# Altium PCB Daughter Board.PcbDoc (part 1 of 3) (continued)
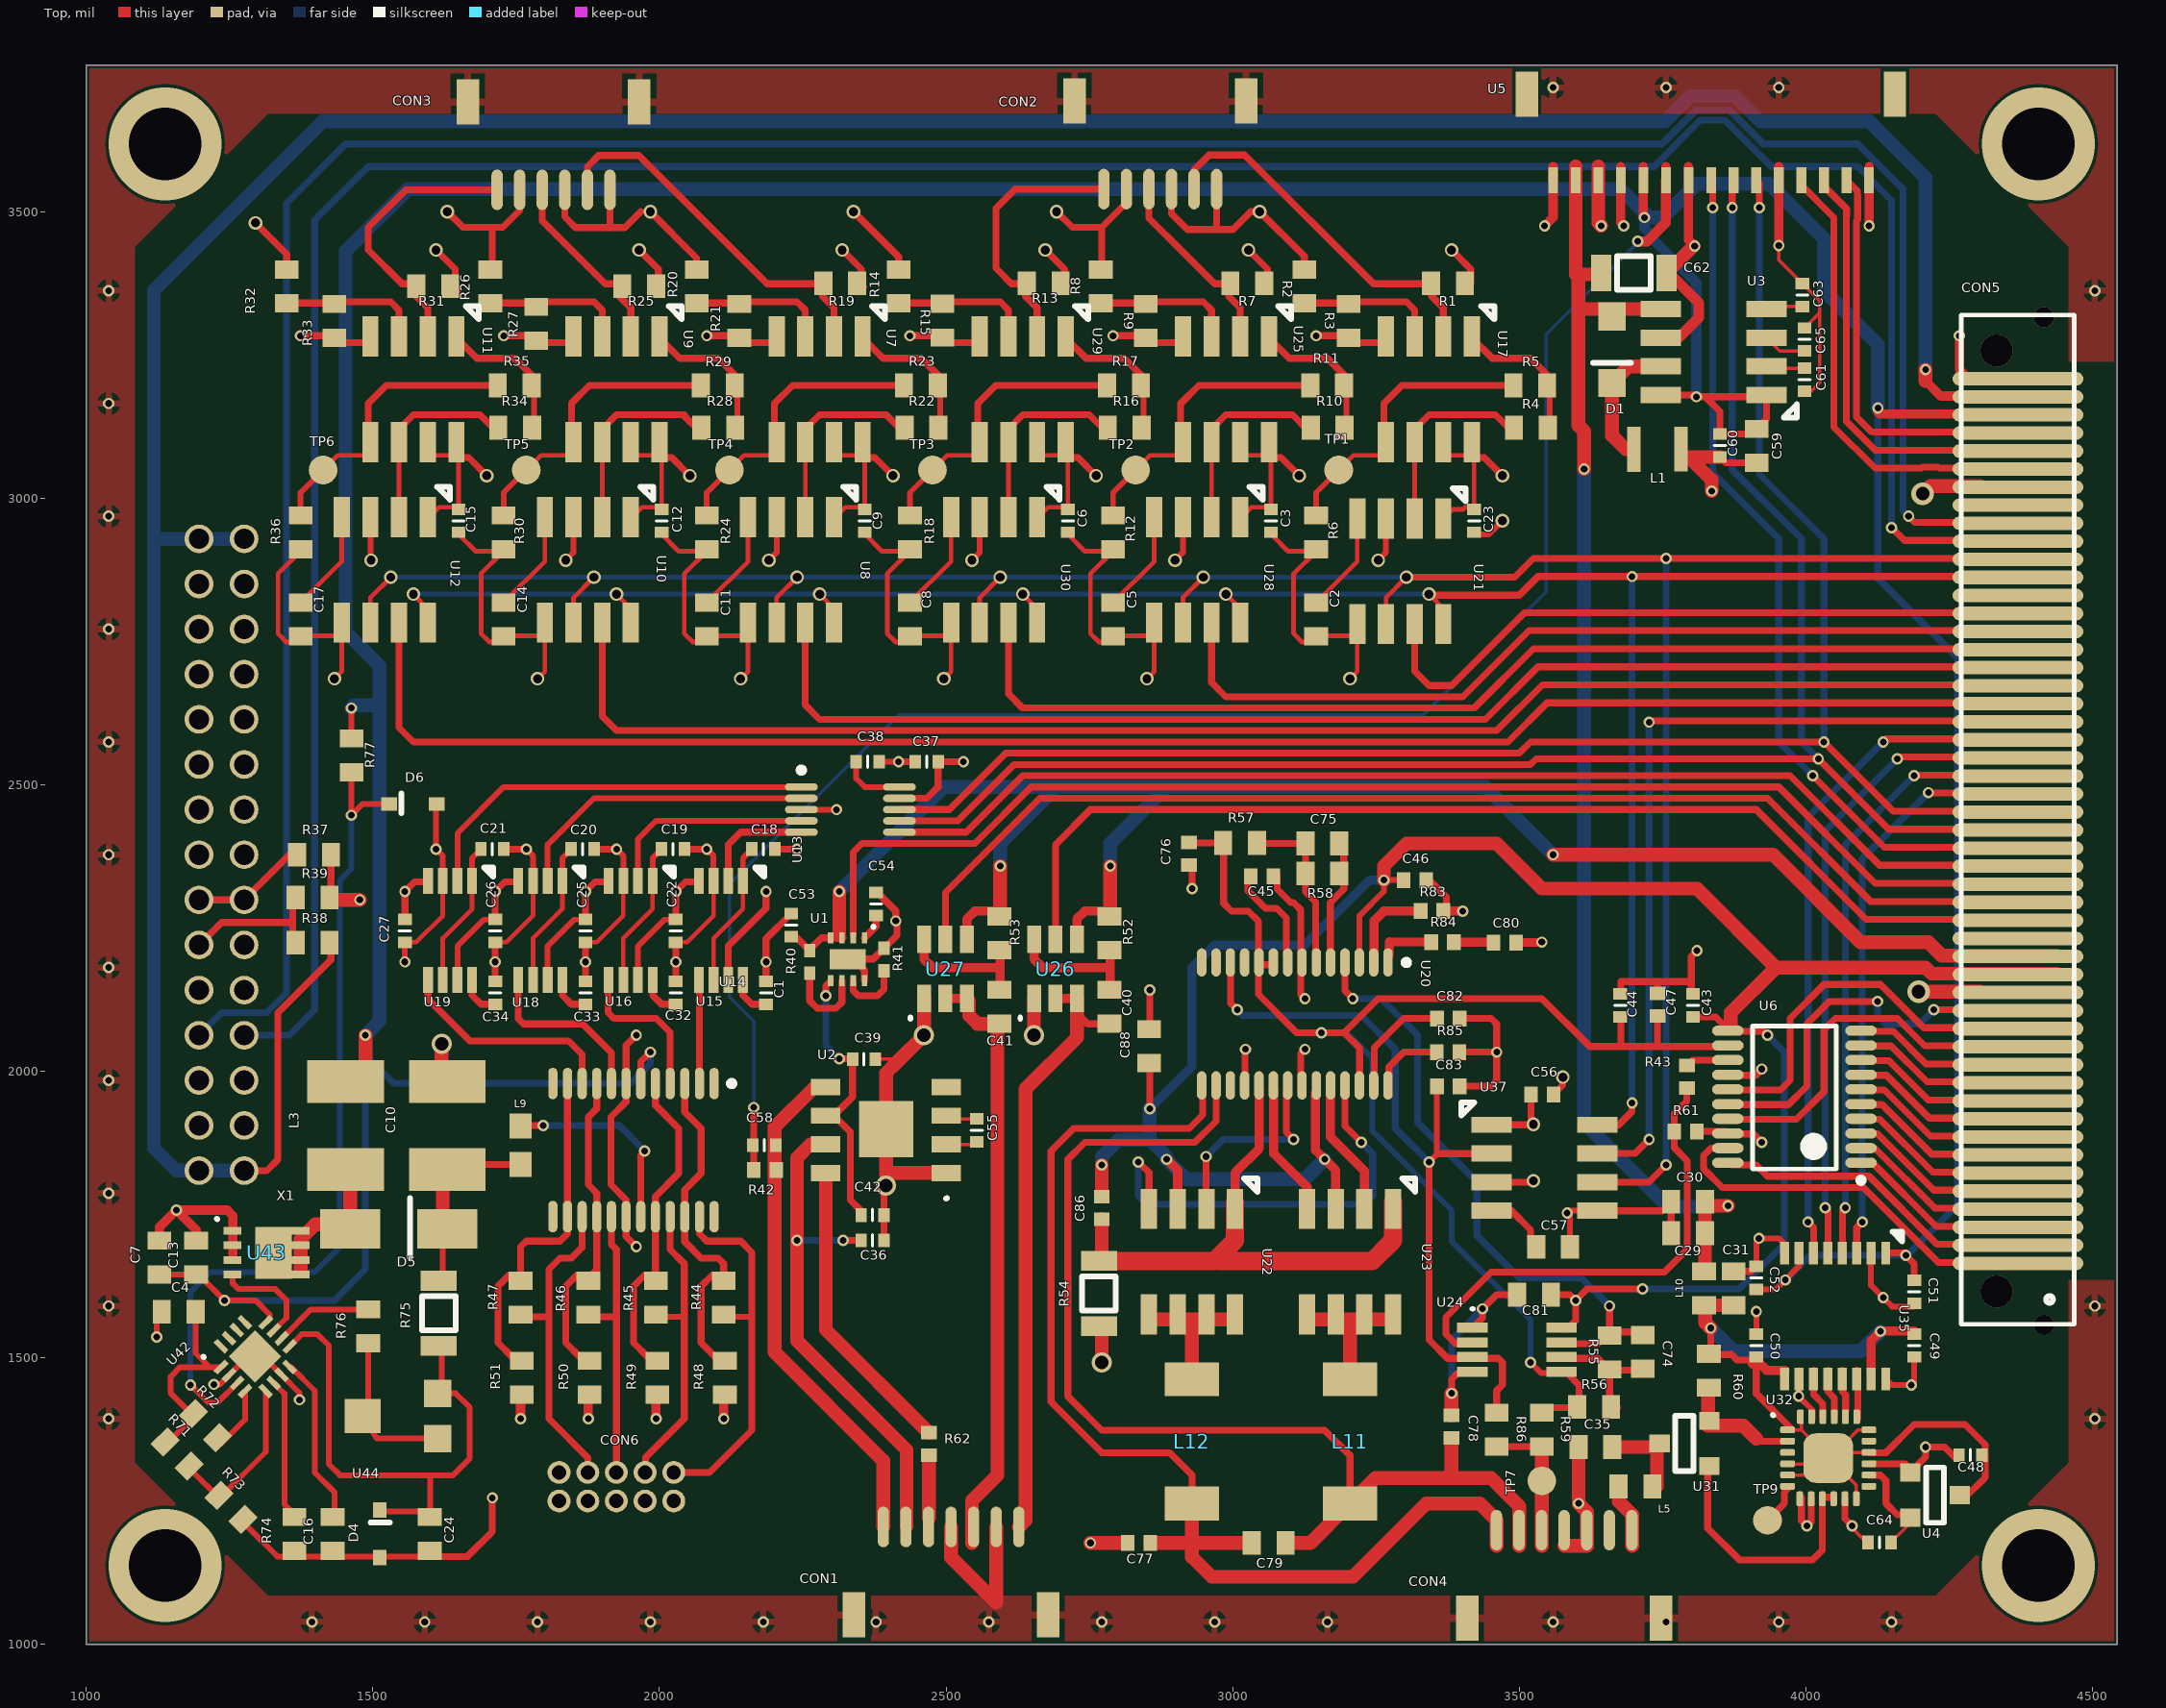
[diagram p0: Top view]
## Components (designator, comment, footprint, x,y, rotation, side; value= is the part's Value field where it differs from the comment)
C1 "1000pF" "0402 B" 2186.02,2136.81 r90 top
C2 "10uF" 0603#1 3145.67,2817.91 r270 top
C3 "0.1uF" "0402 B" 3066.93,2960.63 r270 top
C4 "1uF" 0603#1 1131.88,1580.71 r0 top
C5 "10uF" 0603#1 2791.34,2817.91 r270 top
C6 "0.1uF" "0402 B" 2712.6,2960.63 r270 top
C7 "22uF" 0603#1 1127.95,1645.67 r90 top
C8 "10uF" 0603#1 2437.01,2817.91 r270 top
C9 "0.1uF" "0402 B" 2358.27,2960.63 r270 top
C10 "10uF" C1812 1629.92,1905.51 r90 top
C11 "10uF" 0603#1 2082.68,2817.91 r270 top
C12 "0.1uF" "0402 B" 2003.94,2960.63 r270 top
C13 "22uF" 0603#1 1191.93,1645.67 r90 top
C14 "10uF" 0603#1 1728.35,2817.91 r270 top
C15 "0.1uF" "0402 B" 1649.61,2960.63 r270 top
C16 "1uF" 0603#1 1430,1163.5 r90 top
C17 "10uF" 0603#1 1374.02,2817.91 r270 top
C18 "0.1uF" "0402 B" 2181.1,2387.8 r180 top
C19 "0.1uF" "0402 B" 2023.62,2387.8 r180 top
C20 "0.1uF" "0402 B" 1866.14,2387.8 r180 top
C21 "0.1uF" "0402 B" 1708.66,2387.8 r180 top
C22 "0.1uF" "0402 B" 2028.54,2245.08 r90 top
C23 "0.1uF" "0402 B" 3421.26,2960.63 r270 top
C24 "C-EUC0603" 0603#1 1599.4,1222.55 r270 top
C25 "0.1uF" "0402 B" 1871.06,2245.08 r90 top
C26 "0.1uF" "0402 B" 1713.58,2245.08 r90 top
C27 "0.1uF" "0402 B" 1556.1,2245.08 r90 top
C29 "10uF" 0603#1 3765,1717.51 r0 top
C30 "0.1uF" 0603#1 3765,1772.25 r0 top
C31 "22uF" 0603#1 3874,1651 r270 top
C32 "1000pF" "0402 B" 2028.54,2136.81 r90 top
C33 "1000pF" "0402 B" 1871.06,2136.81 r90 top
C34 "1000pF" "0402 B" 1713.58,2136.81 r90 top
C35 "0.1uF" 0603#1 3603.35,1344.49 r0 top
C36 "1uF" "0402 B" 2371.95,1705 r0 top
C37 "0.1uF" "0402 B" 2466.54,2540.35 r0 top
C38 "0.1uF" "0402 B" 2363.19,2540.35 r180 top
C39 "1uF" "0402 B" 2356.93,2021.29 r180 top
C40 "0.01uF" 0603#1 2785.08,2083.34 r90 top
C41 "0.01uF" 0603#1 2593.15,2083.34 r90 top
C42 "47nF" "0402 B" 2371.93,1749.12 r180 top
C43 "0.1uF" "0402 B" 3803,2115 r90 top
C44 "0.1uF" "0402 B" 3676.18,2115 r90 top
C45 "1uF" 0402#1 3070.86,2340 r180 top
C46 "1uF" 0402#1 3297.98,2333.66 r0 top
C47 "1uF" 0402#1 3741.14,2096.46 r90 top
C48 "0.1uF" "0402 B" 4287.22,1330.25 r180 top
C49 "0.1uF" "0402 B" 4188.98,1521.65 r270 top
C50 "0.1uF" "0402 B" 3913.39,1521.65 r90 top
C51 "0.1uF" "0402 B" 4188.98,1615.16 r90 top
C52 "0.1uF" "0402 B" 3913.39,1639.76 r270 top
C53 "0.1uF" "0402 B" 2230,2255.08 r270 top
C54 "3.3nF" "0402 B" 2377.93,2292 r270 top
C55 "0.1uF" "0402 B" 2553.74,1897.04 r270 top
C56 "0.1uF" 0402#1 3560.04,1959.65 r180 top
C57 "10uF" 0603#1 3529.52,1693.9 r0 top
C58 "47pF" "0402 B" 2182.94,1871.06 r0 top
C59 "47uF" 0603#1 3914,3121.06 r270 top
C60 "1uF" "0402 B" 3850,3092 r90 top
C61 "10uF" "0402 B" 3997.66,3206.9 r90 top
C62 "100uF" "1206 B" 3700,3393 r180 top
C63 "82pF" "0402 B" 3993.87,3354.43 r270 top
C64 "10uF" "0402 B" 4128.63,1178 r0 top
C65 "10nF" "0402 B" 3997.66,3277 r270 top
C74 "0.1uF" 0603#1 3715.71,1540 r270 top
C75 "4.7uF" 0603#1 3186.03,2397.64 r180 top
C76 "1uF" 0402#1 2924.21,2399.17 r270 top
C77 "22uF" 0402#1 2856.3,1177.17 r180 top
C78 "22uF" 0402#1 3381.89,1399.61 r270 top
C79 "22uF" 0603#1 3033.46,1177.17 r0 top
C80 "0.1uF" 0402#1 3494.69,2224.41 r180 top
C81 "0.1uF" 0603#1 3555.12,1610.24 r180 top
C82 "330pF" 0402#1 3356.55,2092.11 r0 top
C83 "0.1uF" 0402#1 3356.55,1974 r0 top
C86 "0.1uF" 0402#1 2771.65,1742.13 r90 top
C88 "10uF" 0603#1 2853.98,2014.44 r90 top
CON1 "T1M-07-F-SH-L-K_1" ? 2430.12,1205 r0 top
CON2 "T1M-06-F-SH-L-K" T1M-06-F-SH-L-K 2972.11,3539.37 r180 top
CON3 "T1M-06-F-SH-L-K" T1M-06-F-SH-L-K 1913.74,3538 r180 top
CON4 "SAMTEC_T1M_X7" T1M-07-F-SH-L-K 3499.62,1199.37 r0 top
CON5 "" LSEM-150-XX.X-X-DV-A-X-XX-TR 4370,2121.69 r180 top
CON6 "SHF-105-01-L-D-A" SHF-105-01-L-D-RA 2025,1300.2 r0 top
D1 "MBR120VLSFT1G" SOD123FL 3661.59,3200.86 r90 top
D4 "SOD323" SOD-323 1511.81,1234.64 r270 top
D5 "GF1G" DO-214BA 1460.63,1725 r0 top
D6 "SOD323" SOD-323 1528.15,2466.54 r0 top
L1 "CBC2518T100M" 1007 3699.14,3085.69 r0 top
L3 "33uH" L1812 1452.76,1905.51 r270 top
L5 "FERRITE" 0603R 3732.29,1275.59 r180 top
L9 "FERRITE" 0603#2 1757.87,1871.06 r270 top
L10 "FERRITE" 0603R 3822.39,1651 r270 top
L11 "B82462G4103M" B82462G 3204.72,1354.33 r0 top
L12 "B82462G4103M" B82462G 2929.13,1354.33 r0 top
R1 "920 0.1%" 0603R 3405,3375 r180 top
R2 "920 0.1%" 0603R 3125,3340 r90 top
R3 "920 0.1%" 0603R 3202.5,3280 r90 top
R4 "7.5K 0.1%" 0603R 3549.69,3123.11 r180 top
R5 "1k" 0603R 3489.69,3196.85 r0 top
R6 "0" 0603R 3145.67,2910.94 r90 top
R7 "920 0.1%" 0603R 3055,3375 r180 top
R8 "920 0.1%" 0603R 2770,3340 r90 top
R9 "920 0.1%" 0603R 2848.17,3280 r90 top
R10 "7.5K 0.1%" 0603R 3195.35,3123.11 r180 top
R11 "1k" 0603R 3135.35,3196.85 r0 top
R12 "0" 0603R 2791.34,2910.94 r90 top
R13 "920 0.1%" 0603R 2700,3375 r180 top
R14 "920 0.1%" 0603R 2417.32,3340 r90 top
R15 "920 0.1%" 0603R 2493.84,3280.12 r90 top
R16 "7.5K 0.1%" 0603R 2841.02,3123.11 r180 top
R17 "1k" 0603R 2781.02,3196.85 r0 top
R18 "0" 0603R 2437.01,2910.94 r90 top
R19 "920 0.1%" 0603R 2345,3375 r180 top
R20 "920 0.1%" 0603R 2065,3340 r90 top
R21 "920 0.1%" 0603R 2139.51,3280 r90 top
R22 "7.5K 0.1%" 0603R 2486.69,3123.11 r180 top
R23 "1k" 0603R 2426.69,3196.85 r0 top
R24 "0" 0603R 2082.68,2910.94 r90 top
R25 "920 0.1%" 0603R 1994.09,3370 r180 top
R26 "920 0.1%" 0603R 1705,3340 r90 top
R27 "920 0.1%" 0603R 1785.18,3275 r90 top
R28 "7.5K 0.1%" 0603R 2132.36,3123.11 r180 top
R29 "1k 0.1%" 0603R 2072.36,3196.85 r0 top
R30 "0" 0603R 1728.35,2910.94 r90 top
R31 "920 0.1%" 0603R 1635,3370 r180 top
R32 "920 0.1%" 0603R 1350,3340 r90 top
R33 "920 0.1%" 0603R 1433.07,3280 r90 top
R34 "7.5K 0.1%" 0603R 1778.03,3123.11 r180 top
R35 "1k" 0603R 1718.03,3196.85 r0 top
R36 "0" 0603R 1374.02,2910.94 r90 top
R37 "100" 0603R 1427.17,2377.95 r180 top
R38 "10k" 0603R 1365.57,2224.68 r0 top
R39 "DNP" 0603R 1365.57,2303.42 r0 top
R40 "10k" 0402#2 2262.29,2190.94 r270 top
R41 "5K" 0402#2 2391.71,2194.88 r90 top
R42 "6K2" 0402R 2164.37,1827.76 r0 top
R43 "1k 0.1%" 0402R 3792.43,2009.94 r270 top
R44 "4.99M" 0603R 2112.2,1634.62 r270 top
R45 "4.99M" 0603R 1994.09,1634.62 r270 top
R46 "4.99M" 0603R 1875.98,1634.62 r270 top
R47 "4.99M" 0603R 1757.87,1634.62 r270 top
R48 "90.9k" 0603R 2114.33,1435.91 r90 top
R49 "90.9k" 0603R 1996.22,1435.91 r90 top
R50 "90.9k" 0603R 1878.11,1435.91 r90 top
R51 "90.9k" 0603R 1760,1435.91 r90 top
R52 "100k" 0603R 2785.08,2211.29 r90 top
R53 "100k" 0603R 2593.15,2211.29 r90 top
R54 "0.1" 1206R 2771.65,1615.16 r90 top
R55 "9.09k" 0603R 3657.48,1480 r90 top
R56 "1k" 0603R 3600.94,1414.32 r0 top
R57 "100k" 0603R 3042.33,2398.62 r180 top
R58 "10M" 0603R 3126.97,2345 r0 top
R59 "10k" 0603R 3539.37,1345.47 r90 top
R60 "60 0.1%" 0603R 3830.71,1447.83 r90 top
R61 "1K 0.1%" 0402R 3770.63,1895.2 r0 top
R62 "150" 0402R 2470,1329.98 r90 top
R71 "43k" 0603R 1138.15,1353.37 r315 top
R72 "100k" 0603R 1187.36,1402.59 r315 top
R73 "100k" 0603R 1231.66,1259.87 r315 top
R74 "127k" 0603R 1363.18,1222.55 r270 top
R75 "7.5M" 1206R 1620.08,1580.71 r90 top
R76 "31.6k" 0603R 1492.13,1584.65 r270 top
R77 "1k" 0603R 1463.21,2580.8 r270 top
R83 "82k" 0402R 3328,2279.53 r0 top
R84 "10k" 0402R 3346.46,2225.39 r0 top
R85 "10k" 0402R 3395.67,2033.46 r180 top
R86 "10k" 0603R 3460.63,1404.53 r270 top
TP1 "TPB1,27" B1,27 3185.04,3049.21 r0 top
TP2 "TPB1,27" B1,27 2830.71,3049.21 r180 top
TP3 "TPB1,27" B1,27 2476.38,3049.21 r180 top
TP4 "TPB1,27" B1,27 2122.05,3049.21 r180 top
TP5 "TPB1,27" B1,27 1767.72,3049.21 r180 top
TP6 "TPB1,27" B1,27 1413.39,3049.21 r180 top
TP7 "TPB1,27" B1,27 3539.37,1285.43 r90 top
TP9 "TPB1,27" B1,27 3933.07,1216.54 r0 top
U1 "TPS259541DSGR" "SON8 (2X2)" 2328.36,2195.48 r270 top
U2 "iC-WKN" SOIC8TP 2500.31,1822.61 r90 top
U3 "TPS6735" SOIC8 3931.31,3180 r90 top
U4 "MCP1541" SOT-23 4225.2,1260.6 r0 top
U5 "T1M-15-F-SH-L-K" T1M-15-F-SH-L-K 3860.24,3635 r180 top
U6 "TLV5619" TSSOP-20 3980,1930 r180 top
U7 "MCP6N11" SOIC8 2354.53,3282.17 r180 top
U8 "MAX1240" SOIC8 2304.53,2967.2 r180 top
U9 "MCP6N11" SOIC8 2000.2,3282.17 r180 top
U10 "MAX1240" SOIC8 1950.2,2967.2 r180 top
U11 "MCP6N11" SOIC8 1645.87,3282.17 r180 top
U12 "MAX1240" SOIC8 1595.87,2967.2 r180 top
U13 "AD5664R" MSOP-10 2333.24,2456.69 r0 top
U14 "HV264" TSSOP-24 2123.91,1978.49 r270 top
U15 "MAX7413" uMAX-8 2145.67,2332.45 r270 top
U16 "MAX7413" uMAX-8 1988.19,2332.45 r270 top
U17 "MCP6N11" SOIC8 3417.52,3282.17 r180 top
U18 "MAX7413" uMAX-8 1830.71,2332.45 r270 top
U19 "MAX7413" uMAX-8 1673.23,2332.45 r270 top
U20 "LTC1923SSOP28" SSOP-28 3271,2190.72 r270 top
U21 "MAX1240" SOIC8 3367.52,2964.57 r180 top
U22 "SI9801DY" SOIC8 3004.13,1760 r180 top
U23 "SI9801DY" SOIC8 3279.72,1760 r180 top
U24 "LTC2053" MSOP8 3418.06,1552.52 r270 top
U25 "MCP6N11" SOIC8 3063.19,3282.17 r180 top
U26 "TPS27082L" "TSOT-23 6 LEAD" 2653.54,2126.97 r0 top
U27 "TPS27082L" "TSOT-23 6 LEAD" 2461.61,2126.97 r0 top
U28 "MAX1240" SOIC8 3013.19,2967.2 r180 top
U29 "MCP6N11" SOIC8 2708.86,3282.17 r180 top
U30 "MAX1240" SOIC8 2658.86,2967.2 r180 top
U31 "SI2334DS" SOT-23 3788.16,1350.72 r180 top
U32 "ADN8810" LFCSP-24 3970,1374.37 r0 top
U35 "ADUM7440" QSOP16 4139.27,1683.07 r270 top
U37 "MAX1240" SOIC8 3451.77,1906.69 r270 top
U42 "HV9150" QFN-16 1255.93,1463.36 r45 top
U43 "BSZ42DN25NS3" TDSON-8 1255,1722.09 r0 top
U44 "200k" TC33X 1541.34,1398.62 r90 top
X1 "791077014" 791077014 1275.44,2062.1 r180 top

## Footprints (in the part's own frame and the unit in brackets; to place one, negate y for a bottom-side part, rotate by r counter-clockwise, add the part's x,y. Pads: shape width x height; smd on the part's side, far side on the other; paste and mask are expansions set on the pad)
0402#1 [mm]
  rect 0.6x0.7 smd: 1(0,0) 2(1,0)
  body extent -0.03,-0.25 0.99,0.25, height 0.49
0402#2 [mm] "Chip Capacitor, Body 1.0x0.5mm, IPC High Density"
  rect 0.6x0.5 smd: 1(-0.5,0) 2(0.5,0)
  body extent -0.55,-0.3 0.55,0.3, height 1.3
"0402 B" [mil] "SMD 0402 blue"
  rect 20x24 smd: 1(-20,0) 2(20,0)
  silkscreen extent 0,-10 0,10, body extent -20,-10 20,10, height 18
0402R [mm]
  rect 0.6x0.7 smd: 1(0,0) 2(1,0)
  body extent 0,-0.25 1.01,0.25, height 0.46
0603#1 [mm] "SMD 0402 blue"
  rect 0.8x1.05 smd: 1(0,0) 2(1.5,0)
  body extent -0.06,-0.4 1.54,0.4, height 0.8
0603#2 [mm] "0603"
  rect 1.1x1 smd: 1(-0.85,0) 2(0.85,0)
0603R [mm]
  rect 0.8x1.05 smd: 1(0,0) 2(1.5,0)
  body extent -0.02,-0.37 1.58,0.43, height 0.46
1007 [mm]
  rect 0.6x2 smd: 1(0.02,-0.01) 2(2.1,0)
  body extent -0.22,-0.89 2.28,0.91, height 1.8
"1206 B" [mil] "SMD 1206"
  rect 35x63 smd: 1(-57,0) 2(57,0)
  silkscreen extent -30,-30 30,30, body extent -60,-30 60,30, height 50
1206R [mil]
  rect 35x63 smd: 1(-59.83,4.92) 2(54.17,4.92)
  silkscreen extent -32,-25 27,34, body extent -63,-25 57,35, height 18
791077014 [mil]
  round 50 / inner round 60 / far side round 50 hole 35.43: 1(-0.15,235.33) 2(78.59,235.33) 3(-0.15,156.59) 4(78.59,156.59) 5(-0.15,77.85) 6(78.59,77.85) 7(-0.15,-0.89) 8(78.59,-0.89) 9(-0.15,-79.63) 10(78.59,-79.63) 11(-0.15,-158.37) 12(78.59,-158.37) 13(-0.15,-237.11) 14(78.59,-237.11) 15(-0.15,-315.85) 16(78.59,-315.85) 17(-0.15,-394.59) 18(78.59,-394.59) 19(-0.15,-473.33) 20(78.59,-473.33) 21(-0.15,-552.07) 22(78.59,-552.07) 23(-0.15,-630.81) 24(78.59,-630.81) 25(-0.15,-709.55) 26(78.59,-709.55) 27(-0.15,-788.29) 28(78.59,-788.29) 29(-0.15,-867.03) 30(78.59,-867.03)
  body extent -42,-907 122,282, height 106
B1,27 [mil] "B1,27"
  rrect100% 50x50 smd paste+0: TP(0,0)
B82462G [mil] "B82462G"
  rect 94.49x59.06 smd: P$1(0,108.27) P$2(0,-108.27)
C1812 [mil] "C1812"
  rect 74.8x133.86 smd: 1(-76.77,0) 2(76.77,0)
DO-214BA [mm]
  rect 2.65x1.75 smd: 1(0,0) 2(4.3,0)
  silkscreen extent 2.64,-1.32 2.64,1.37, body extent -0.47,-1.3 4.78,1.3, height 2.91
L1812 [mil] "L1812"
  rect 74.8x133.86 smd: 1(-76.77,0) 2(76.77,0)
LFCSP-24 [mm]
  rrect50% 0.65x0.3 smd: 1(-0.051,0) 2(-0.051,-0.5) 3(-0.051,-1) 4(-0.051,-1.5) 5(-0.051,-2) 6(-0.051,-2.5) 13(3.551,-2.5) 14(3.551,-2) 15(3.551,-1.5) 16(3.551,-1) 17(3.551,-0.5) 18(3.551,0)
  rrect50% 0.3x0.65 smd: 7(0.493,-3.051) 8(0.993,-3.051) 9(1.493,-3.051) 10(1.993,-3.051) 11(2.493,-3.051) 12(2.993,-3.051) 19(3.016,0.581) 20(2.516,0.581) 21(2.016,0.581) 22(1.516,0.581) 23(1.016,0.581) 24(0.516,0.581)
  rrect50% 2.2x2.2 smd: 25(1.75,-1.25)
  silkscreen extent -0.71,0.64 -0.69,0.66, body extent -0.25,-3.24 3.75,0.76, height 0.83
LSEM-150-XX.X-X-DV-A-X-XX-TR [mm]
  oval 5.8x0.6 smd: 1(0,11.6) 2(0,10.8) 3(0,10) 4(0,9.2) 5(0,8.4) 6(0,7.6) 7(0,6.8) 8(0,6) 9(0,5.2) 10(0,4.4) 11(0,3.6) 12(0,2.8) 13(0,2) 14(0,1.2) 15(0,0.4) 16(0,-0.4) 17(0,-1.2) 18(0,-2) 19(0,-2.8) 20(0,-3.6) 21(0,-4.4) 22(0,-5.2) 23(0,-6) 24(0,-6.8) 25(0,-7.6) 26(0,-8.4) 27(0,-9.2) 28(0,-10) 29(0,-10.8) 30(0,-11.6) 31(0,-12.4) 32(0,-13.2) 33(0,-14) 34(0,-14.8) 35(0,-15.6) 36(0,-16.4) 37(0,-17.2) 38(0,-18) 39(0,-18.8) 40(0,-19.6) 41(0,-20.4) 42(0,-21.2) 43(0,-22) 44(0,-22.8) 45(0,-23.6) 46(0,-24.4) 47(0,-25.2) 48(0,-26) 49(0,-26.8) 50(0,-27.6)
  silkscreen extent -2.49,-30.43 2.51,14.3, body extent -2.59,-30.3 2.54,14.2, height 5.6
MSOP8 [mm]
  rect 0.45x1.35 smd: 1(0,0) 2(0.65,0) 3(1.3,0) 4(1.95,0) 5(1.95,3.95) 6(1.3,3.95) 7(0.65,3.95) 8(0,3.95)
  silkscreen extent -0.84,0 -0.84,0.03, body extent -0.51,-0.42 2.49,4.43, height 0.93
MSOP-10 [mm]
  oval 1.45x0.33 smd: 1(-2.175,1) 2(-2.175,0.5) 3(-2.175,0) 4(-2.175,-0.5) 5(-2.175,-1) 6(2.175,-1) 7(2.175,-0.5) 8(2.175,0) 9(2.175,0.5) 10(2.175,1)
  silkscreen extent -2.3,1.63 -2.05,1.87, body extent -2.45,-1.45 2.45,1.45, height 1.1
QFN-16 [mm]
  rect 0.7x0.25 smd: 1(0,0.737) 2(0,0.237) 3(0,-0.263) 4(0,-0.763) 9(2.8,-0.763) 10(2.8,-0.263) 11(2.8,0.237) 12(2.8,0.737)
  rect 0.25x0.7 smd: 5(0.65,-1.4) 6(1.15,-1.4) 7(1.65,-1.4) 8(2.15,-1.4) 13(2.15,1.4) 14(1.65,1.4) 15(1.15,1.4) 16(0.65,1.4)
  rect 1.65x1.65 smd: 17(1.4,0)
  silkscreen extent -0.23,1.6 -0.23,1.63, body extent -0.13,-1.54 2.92,1.5, height 0.9
QSOP16 [mm]
  rect 1x0.4 smd: 1(0,0) 2(0,-0.64) 3(0,-1.28) 4(0,-1.92) 5(0,-2.56) 6(0,-3.2) 7(0,-3.84) 8(0,-4.48) 9(5.588,-4.48) 10(5.588,-3.84) 11(5.588,-3.2) 12(5.588,-2.56) 13(5.588,-1.92) 14(5.588,-1.28) 15(5.588,-0.64) 16(5.588,0)
  silkscreen extent -0.94,0.3 -0.51,0.74, body extent -0.24,-4.73 5.78,0.26, height 1.73
SHF-105-01-L-D-RA [mil]
  round 40 hole 25: 1(0,0) 2(0,-50) 3(-50,0) 4(-50,-50) 5(-100,0) 6(-100,-50) 7(-150,0) 8(-150,-50) 9(-200,0) 10(-200,-50)
  body extent -350,-310 150,8, height 220
SOD123FL [mm]
  rect 1.25x1.22 smd: 1(0,0) 2(2.95,0)
  silkscreen extent 0.89,-0.84 0.89,0.84, body extent -0.28,-0.82 3.32,0.83, height 0.95
SOD-323 [mm]
  rect 0.7x0.6 smd: 1(0,0) 2(2.11,0)
  silkscreen extent 0.56,-0.41 0.56,0.46, body extent -0.23,-0.68 2.37,0.68, height 1.1
SOIC8 [mm]
  rect 0.72x1.78 smd: 1(0,0) 2(1.27,0) 3(2.54,0) 4(3.81,0) 5(3.81,4.68) 6(2.54,4.68) 7(1.27,4.68) 8(0,4.68)
  silkscreen extent -0.99,-1.35 -0.41,-0.76, body extent -0.62,-0.74 4.38,5.46
SOIC8TP [mm]
  rect 0.72x1.3 smd: 1(0,0) 2(1.27,0) 3(2.54,0) 4(3.81,0) 5(3.81,5.334) 6(2.54,5.334) 7(1.27,5.334) 8(0,5.334)
  rect 2.5x2.4 smd: 9(1.945,2.667)
  silkscreen extent -1.14,-0.03 -1.12,0, body extent -0.56,-0.43 4.44,5.77, height 1.36
"SON8 (2X2)" [mm]
  rect 0.5x0.25 smd: 1(-0.95,0.75) 2(-0.95,0.25) 3(-0.95,-0.25) 4(-0.95,-0.75) 5(0.95,-0.75) 6(0.95,-0.25) 7(0.95,0.25) 8(0.95,0.75)
  rect 0.9x1.6 smd: 9(-0.01,0)
  silkscreen extent -1.45,1.14 -1.42,1.14, body extent -1,-1.01 1,0.99, height 0.77
SOT-23 [mm] "SOT-23 made for BAR66E6327"
  rect 0.9x0.8 smd: 1(-1.1,1) 2(-1.1,-1) 3(1.1,0)
  silkscreen extent -0.4,-1.22 0.4,1.22, body extent -1.4,-1.45 1.4,1.45, height 1
SSOP-28 [mm]
  oval 1.25x0.42 smd: 1(0.018,0) 2(0.018,-0.635) 3(0.018,-1.27) 4(0.018,-1.905) 5(0.018,-2.54) 6(0.018,-3.175) 7(0.018,-3.81) 8(0.018,-4.445) 9(0.018,-5.08) 10(0.018,-5.715) 11(0.018,-6.35) 12(0.018,-6.985) 13(0.018,-7.62) 14(0.018,-8.255) 15(5.468,-8.255) 16(5.468,-7.62) 17(5.468,-6.985) 18(5.468,-6.35) 19(5.468,-5.715) 20(5.468,-5.08) 21(5.468,-4.445) 22(5.468,-3.81) 23(5.468,-3.175) 24(5.468,-2.54) 25(5.468,-1.905) 26(5.468,-1.27) 27(5.468,-0.635) 28(5.468,0)
  silkscreen extent -0.11,0.69 0.14,0.94, body extent -0.28,-9.09 5.72,0.91, height 1.73
T1M-06-F-SH-L-K [mm]
  oval 0.5x1.8 smd: 1(5,0) 2(4,0) 3(3,0) 4(2,0) 5(1,0) 6(0,0)
  rect 1x2 smd: GND(-1.3,-3.9) GND(6.3,-3.9)
  body extent -1.7,-5.48 6.7,0.42, height 4.72
T1M-07-F-SH-L-K [mm]
  oval 0.5x1.8 smd: 1(-1,0) 2(0,0) 3(1,0) 4(2,0) 5(3,0) 6(4,0) 7(5,0)
  rect 1x2 smd: 8(-2.3,-3.9) 9(6.3,-3.9)
  body extent -2.7,-5.59 6.7,0.31, height 4.56
T1M-15-F-SH-L-K [mil]
  rect 17x45 smd: 1(301.18,80) 2(261.81,80) 3(222.44,80) 4(183.07,80) 5(143.7,80) 6(104.33,80) 7(64.96,80) 8(25.59,80) 9(-13.78,80) 10(-53.15,80) 11(-92.52,80) 12(-131.89,80) 13(-171.26,80) 14(-210.63,80) 15(-250,80)
  rect 39.37x78.74 smd: GND(-295,-70) GND(347,-70)
  body extent -317,-137 368,95, height 182
TC33X [mm] "TC33X"
  rect 1.2x1.2 smd: 1(-1,-1.825) 3(1,-1.825)
  rect 1.5x1.6 smd: 2(0,1.5)
TDSON-8 [mm]
  rect 0.8x0.34 smd: 1(0,0) 2(0,-0.65) 3(0,-1.3) 4(0,-1.95) 5(3.023,-1.95) 6(3.023,-1.3) 7(3.023,-0.65) 8(3.023,0)
  rect 1.61x2.3 smd: 9(1.829,-0.978)
  silkscreen extent -0.69,0.51 -0.66,0.53
"TSOT-23 6 LEAD" [mm]
  rect 0.62x1.22 smd: 1(0,0) 2(0.95,0) 3(1.9,0) 4(1.9,2.62) 5(0.95,2.62) 6(0,2.62)
  silkscreen extent -0.61,-0.89 -0.61,-0.84, body extent -0.56,-0.13 2.44,2.67, height 0.86
TSSOP-20 [mm]
  oval 1.4x0.45 smd: 1(-2.95,2.275) 2(-2.95,1.625) 3(-2.95,0.975) 4(-2.95,0.325) 5(-2.95,-0.325) 6(-2.95,-0.975) 7(-2.95,-1.625) 8(-2.95,-2.275) 9(-2.95,-2.925) 10(-2.95,-3.575) 11(2.95,-3.575) 12(2.95,-2.925) 13(2.95,-2.275) 14(2.95,-1.625) 15(2.95,-0.975) 16(2.95,-0.325) 17(2.95,0.325) 18(2.95,0.975) 19(2.95,1.625) 20(2.95,2.275)
  silkscreen extent -3.08,-3.78 1.85,3.17, body extent -3.3,-3.93 3.3,2.67, height 1.2
TSSOP-24 [mil]
  oval 55.12x16 smd: 1(-0.14,-28.43) 2(-0.14,-54.02) 3(-0.14,-79.61) 4(-0.14,-105.2) 5(-0.14,-130.8) 6(-0.14,-156.39) 7(-0.14,-181.98) 8(-0.14,-207.57) 9(-0.14,-233.16) 10(-0.14,-258.75) 11(-0.14,-284.16) 12(-0.14,-309.75) 13(231.86,-309.75) 14(231.86,-284.16) 15(232.14,-258.75) 16(232.14,-233.16) 17(232.14,-207.57) 18(232.14,-181.98) 19(232.14,-156.39) 20(232.14,-130.8) 21(232.14,-105.2) 22(232.14,-79.61) 23(232.14,-54.02) 24(232.14,-28.43)